# KiCad board NoU2-panelized.kicad_pcb (continued)
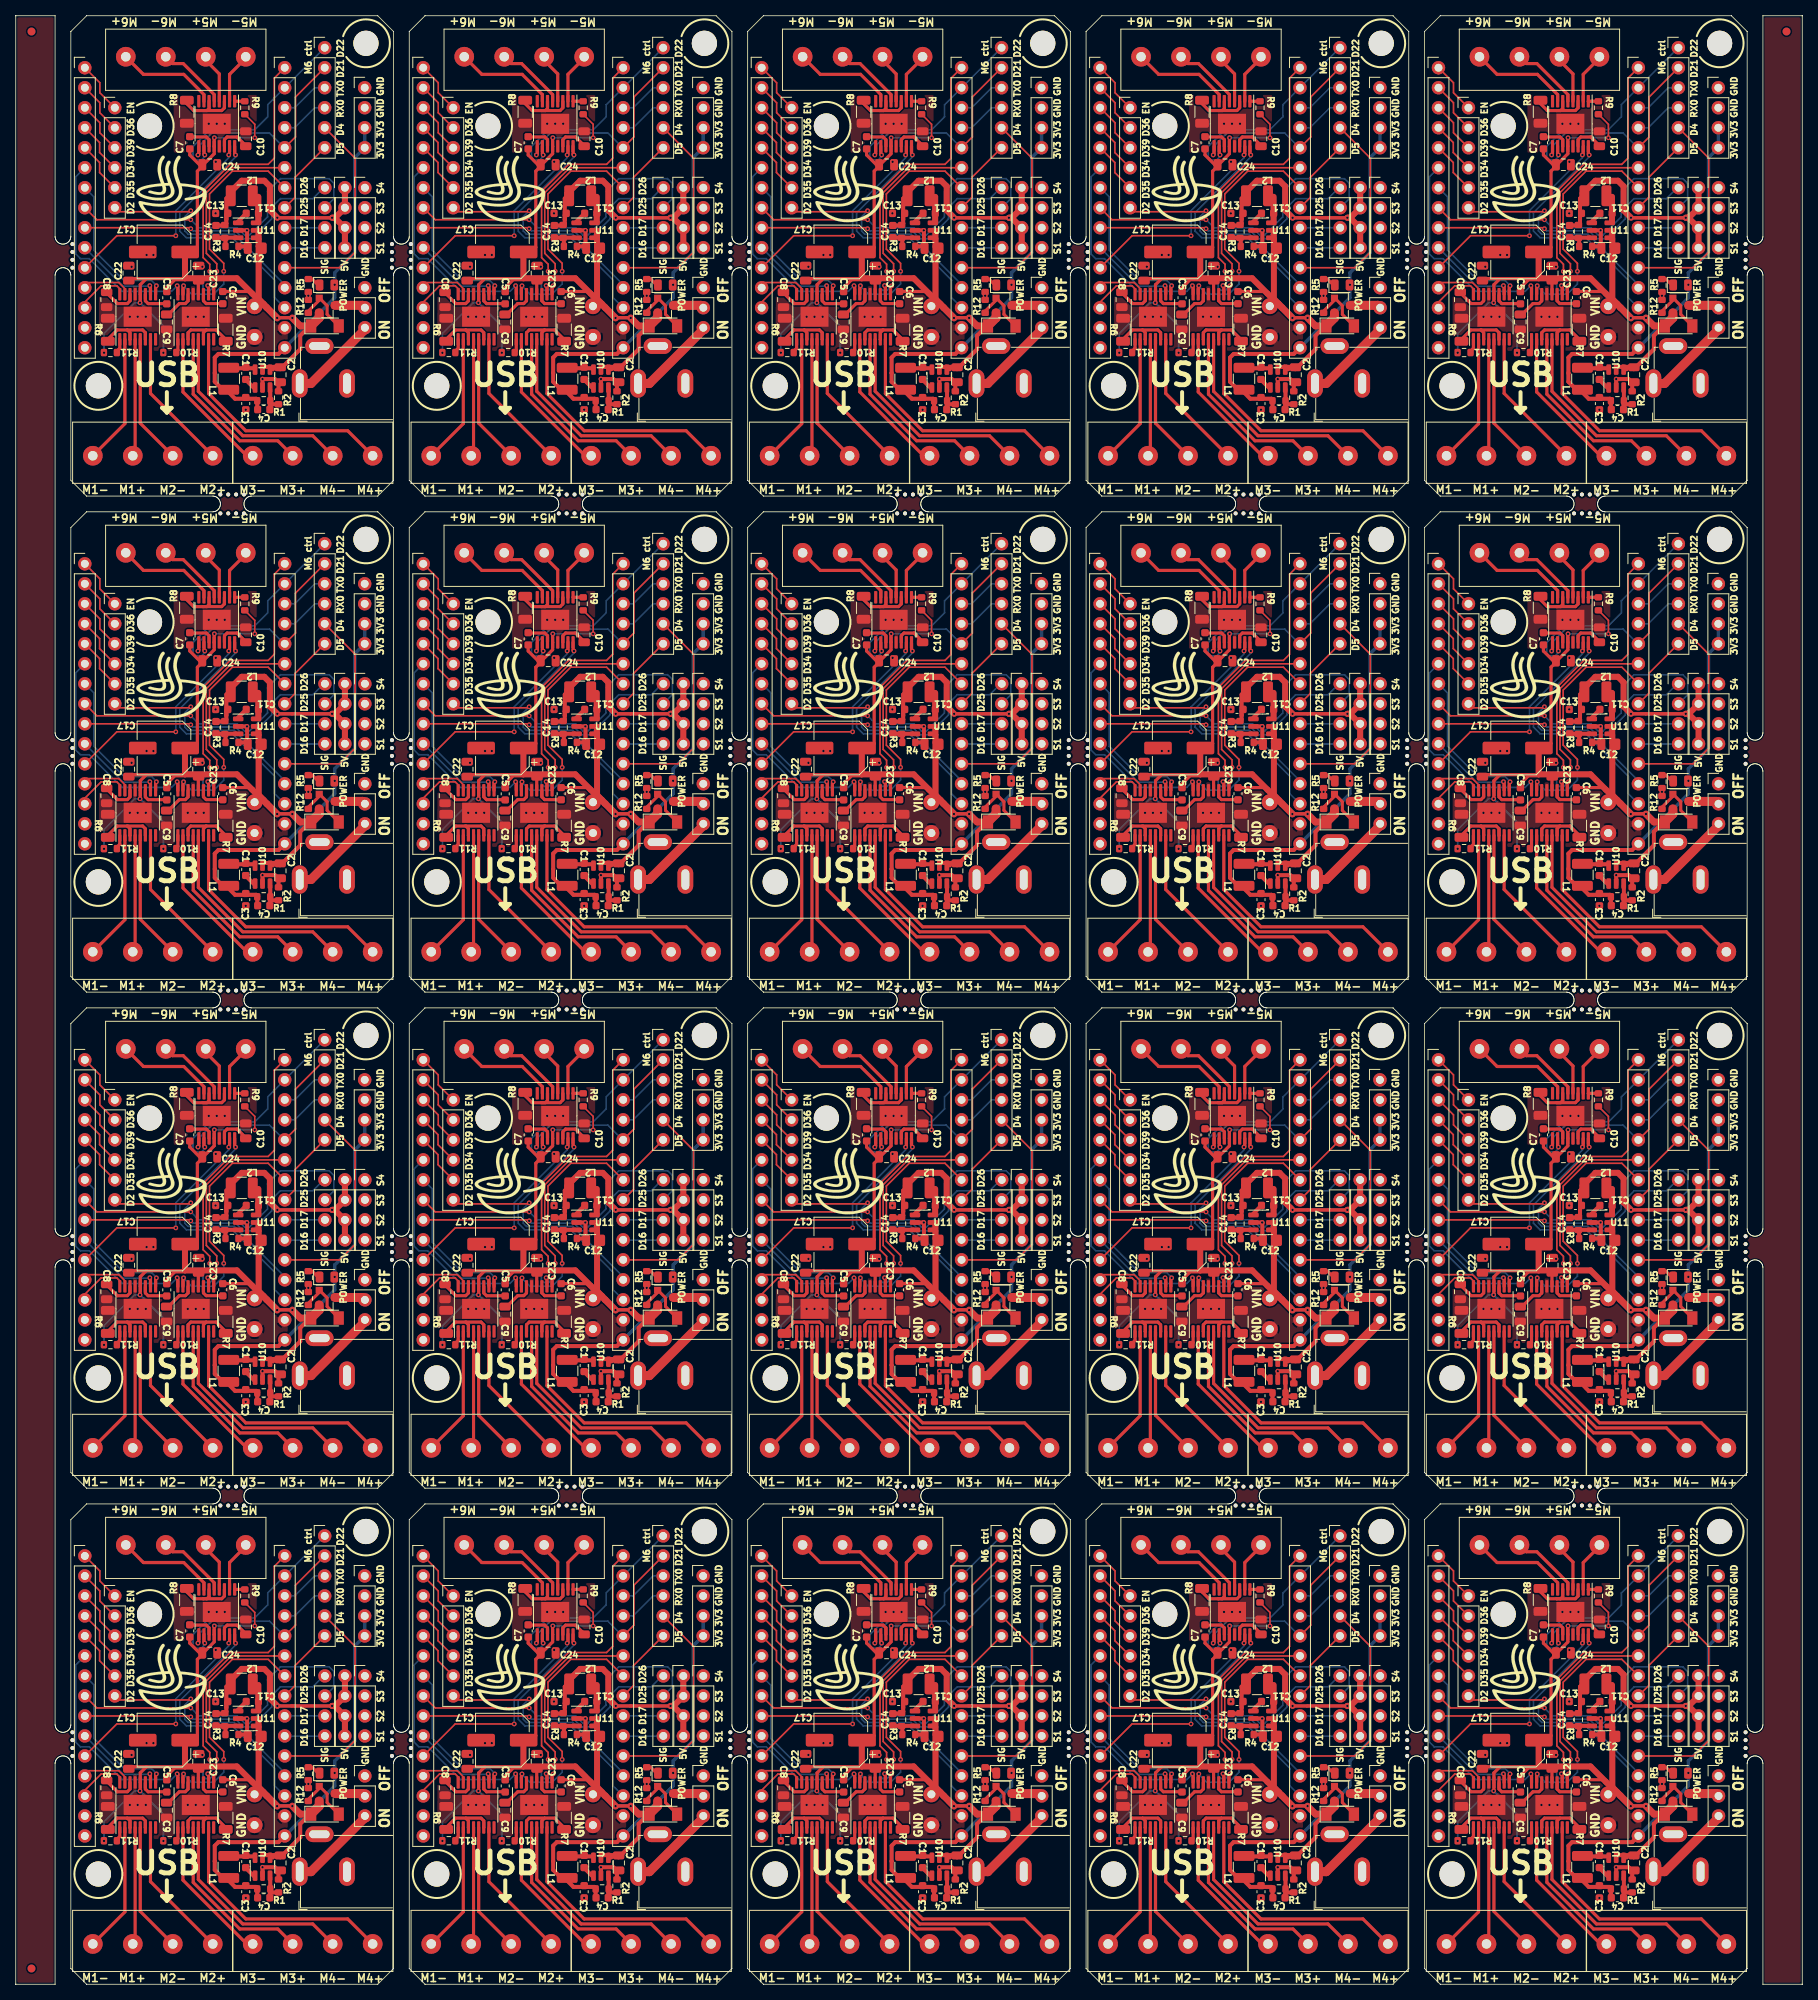
[diagram p0: board, top side]
## Routing (per net, layer and track width the routed paths; a pad name or vN(x,y) marks a point on that pad's centre or on a via; arc(x,y) is an arc through that point) (continued)
Board_9-3V3: length 53
  Top w0.508: 199.2,139.25 198.56,139.25 197.29,140.52 197.29,141.63 197.29,141.63 197.29,143.59 197.75,144.05 205.39,144.05 J11#19.15 ; R1#13.1 202.69,137.04 ; 202.81,137.04 202.86,136.99 ; 199.07,139.37 198.94,139.5 198.94,139.29 199.87,138.36 202.56,138.36 202.81,138.11
  Bottom w0.432: J3#12.3 J3#12.4 215.09,168.99 215.09,156.92 212.53,154.36 v1(212.53,152.84) 212.53,151.19 J11#19.15
Board_9-5V: length 40.3
  Top w0.432: v1(212.2,161.35) v1(205.24,161.35)
  Top w0.508: 198.76,161.14 198.76,161.69 198.98,161.9 198.98,162.1 ; 198.76,161.14 198.76,163.79 199.11,164.14 ; 198.76,161.14 198.76,160.63 R3#5.1 198.5,160.37 C14#13.2
  Top w0.762: 199.11,164.14 199.11,164.43 200.72,166.05 201.57,166.05 201.58,166.05 203.59,166.05 204.3,165.33 204.3,162.29 v1(205.24,161.35) ; J12.1 213.82,162.59 212.58,161.35 v1(212.2,161.35) 212.53,161.35 213.82,160.05 213.82,157.51
  Bottom w0.432: v1(205.24,161.35) v1(212.2,161.35)
Board_9-/Sheet6057E9B8/D16: length 5.1
  Top w0.203: 206.21,157.51 J11#19.10
  Bottom w0.203: 211.28,157.51 206.21,157.51
Board_9-/Sheet6057E9B8/D17: length 5.1
  Top w0.203: 211.25,160.08 211.28,160.05
  Bottom w0.203: J11#19.9 211.25,160.08
Board_9-/Sheet6057E9B8/D34: length 6.7
  Top w0.203: 184.59,167.7 182.66,169.63 182.66,170.9 J10#17.4
Board_9-/Sheet6057E9B8/D35: length 6.7
  Top w0.203: J10#17.5 182.66,168.36 182.66,167.09 184.59,165.16
Board_9-/Sheet6057E9B8/D36: length 6.7
  Top w0.203: 184.59,172.78 182.68,174.68 182.68,175.95 J10#17.2
Board_9-/Sheet6057E9B8/D39: length 6.7
  Top w0.203: 184.59,170.24 182.68,172.14 182.68,173.41 J10#17.3
Board_9-/Sheet6057E9B8/EN: length 7.3
  Top w0.203: 184.59,175.32 182.68,177.22 182.68,178.49 J10#17.1
  Top w0.399: 180.78,179.76 J10#17.1
Board_9-D2: length 28.7
  Top w0.203: v1(194.24,162.24) 194.11,162.11 185.1,162.11 J4#7.6
  Bottom w0.203: v1(194.24,162.24) 193.48,161.47 193.48,159.67 193.9,159.25 199.77,159.25 206.18,152.84 J11#19.12
Board_9-D4: length 27.2
  Top w0.203: J11#19.11 213.14,155 215.12,156.98 215.12,168.92 J1#20.5
Board_9-D5: length 9.7
  Top w0.203: J1#20.6 207.5,166.48 207.5,163.94 J11#19.8
Board_9-D25: length 41.8
  Top w0.203: J10#17.8 182.3,161.09 v1(194.24,161.09)
  Bottom w0.203: J2#10.2 212.44,163.77 212.44,165.71 211.83,166.31 205.63,166.31 204,164.68 204,161.46 201.68,159.14 201.08,159.14 200.15,160.08 195.26,160.08 v1(194.24,161.09)
Board_9-D26: length 34.6
  Top w0.203: J10#17.9 194.15,160.08 v1(194.24,159.95)
  Bottom w0.203: v1(194.24,159.95) 194.52,159.67 199.91,159.67 200.91,158.68 201.99,158.68 204.53,161.22 204.53,162.67 205.63,163.77 209.75,163.77 211.13,165.16 J2#10.1
Board_9-GND: length 10.3
  Top w0.508: R4#6.2 201.31,157.71 201.4,157.8 201.4,159.72 v1(201.38,159.75) 200.06,159.75 ; 203.36,139.61 v1(203.36,140.86) 204.93,140.86 205.33,140.46 C2#2.1 205.39,140.24 R2#2.2 ; R12.2 R5#6.1 209.15,151.88 ; 201.32,136.98 201.32,136.98
  vias: v1(186.49,148.77) v1(186.72,155.12) v1(187.5,148.77) v1(188.53,148.77) v1(188.63,156.62) v1(189.49,156.62) v1(193.86,148.77) v1(194.88,148.77) v1(195.71,155.12) v1(195.89,148.77) v1(196.53,173.28) v1(197.41,168.46) v1(197.39,161.9) v1(197.54,173.28) v1(198.56,173.28) v1(201.22,136.96) v1(209.18,151.44)
Board_9-M1A: length 6.9
  Top w0.203: J10#17.13 180.78,150.63 182.85,152.7 184.85,152.7 185.22,152.33 U1.16
Board_9-M1B: length 6.8
  Top w0.203: J10#17.12 180.78,153.12 185.1,153.12 185.87,152.34 U1.15
Board_9-M2A: length 11.3
  Top w0.399: U1.10 189.12,152.57 189.03,152.66
  Bottom w0.203: 189.03,152.66 185.65,152.66 J10#17.10
  vias: v1(189.03,152.72)
Board_9-M2B: length 19.4
  Top w0.399: 189.87,152.66 189.77,152.56 U1.9
  Bottom w0.203: 189.87,152.72 189.87,152.66 v1(189.87,152.71) 189.87,152.76 189.26,153.37 185.78,153.37 181.93,157.22 181.93,164 J10#17.7
Board_9-M3A: length 27.6
  Top w0.399: 192.51,152.66 192.6,152.57 U3#3.16
  Bottom w0.203: J10#17.6 179.63,166.54 179.63,156.75 180.23,156.15 181.35,156.15 185.5,152 191.79,152 v1(192.51,152.72)
Board_9-M3B: length 30.9
  Top w0.203: v1(198.43,154.54) 198.43,155.55 196.62,157.36 196.62,164.36 199.52,167.26 204.07,167.26 J11#19.7 ; 193.25,152.58 193.33,152.66
  Top w0.399: U3#3.15 193.25,152.58
  Bottom w0.203: v1(198.43,154.54) 198.43,152.93 197.15,151.65 194.34,151.65 193.33,152.66
  vias: v1(193.33,152.71)
Board_9-M4A: length 25.2
  Top w0.203: J11#19.6 199.39,167.7 196.22,164.53 196.22,156.83 197.54,155.5 v1(197.54,154.54)
  Top w0.399: U3#3.10 196.5,152.56 196.4,152.66
  Bottom w0.203: v1(197.54,154.54) 197.54,153.82 196.4,152.67 196.4,152.66
  vias: v1(196.4,152.74)
Board_9-M4B: length 38.7
  Top w0.203: J11#19.1 204.86,179.08 204.86,168.92 204.07,168.13 199.24,168.13 195.81,164.7 195.81,156.28 196.65,155.44 v1(196.65,154.54)
  Top w0.399: 197.26,152.66 197.15,152.55 U3#3.9
  Bottom w0.203: v1(197.29,152.71) 196.71,152.13 196.11,152.13 195.79,152.44 195.79,153.12 196.65,153.98 v1(196.65,154.54)
Board_9-M5A: length 32.5
  Top w0.399: U2#8.16 199.82,169.43 v1(199.93,169.32) 199.93,169.37
  Bottom w0.203: v1(199.93,169.32) 199.93,169.07 192.84,161.98 192.84,159.65 193.69,158.81 199.51,158.81 204.91,153.41 204.91,151.19 206.17,149.92 J11#19.13
Board_9-M5B: length 27.4
  Top w0.203: v1(192.34,159.06) 184.84,159.06 J10#17.11
  Top w0.399: 199.07,169.37 199.17,169.47 U2#8.15
  Bottom w0.203: 199.07,169.37 199.07,168.97 192.34,162.24 v1(192.34,159.06)
  vias: v1(199.07,169.32)
Board_9-M6A: length 27.3
  Top w0.203: 211.25,182.94 J1#20.1
  Top w0.399: 196.02,169.37 195.92,169.47 U2#8.10
  Bottom w0.203: 211.25,182.94 J11#19.2 204.02,175.7 204.02,174.17 202.37,172.52 196.65,172.52 194.52,170.39 194.52,169.02 194.85,168.69 195.59,168.69 196.02,169.12 v1(196.02,169.32)
Board_9-M6B: length 26.9
  Top w0.203: J1#20.2 207.55,176.69 207.55,171.61 J11#19.5
  Top w0.399: 195.15,169.37 195.27,169.49 U2#8.9
  Bottom w0.203: J11#19.5 206.11,170.24 204.24,172.11 196.92,172.11 195.27,170.46 195.27,169.49 195.15,169.37
  vias: v1(195.15,169.32)
Board_9-Net-(C1-Pad1): length 3.3
  Top w0.508: 202.43,142.23 199.15,142.23
Board_9-Net-(C1-Pad2): length 1.7
  Top w0.508: 201.33,140.81 201.33,140.78 ; 201.2,140.8 202.37,139.63
Board_9-Net-(C4-Pad1): length 4.1
  Top w0.508: 204.29,138.06 204.29,137.84 204.46,137.66 R2#2.1 ; 204.29,138.06 C4#9.1 ; 204.29,138.06 R1#13.2 204.34,139.59 ; 204.41,138.06 204.46,138.11
Board_9-Net-(C5-Pad2): length 3.7
  Top w0.399: C5#8.2 191.16,150.44 188.82,150.44 188.47,150.79 U1.11
Board_9-Net-(C6-Pad2): length 3.4
  Top w0.399: U3#3.11 195.85,150.79 196.19,150.45 198.28,150.45 C6#6.2
Board_9-Net-(C7-Pad2): length 3.5
  Top w0.399: U2#8.11 196.57,171.27 196.22,171.61 194.15,171.61 C7#6.2
Board_9-Net-(C8-Pad1): length 4.6
  Top w0.399: C8#14.1 183.55,151.81 184.91,150.45 186.18,150.45 186.52,150.79 U1.14
Board_9-Net-(C9-Pad1): length 4.3
  Top w0.399: C9#13.1 191.4,149.06 192.78,150.45 193.56,150.45 193.9,150.79 U3#3.14
Board_9-Net-(C10-Pad1): length 4.2
  Top w0.399: C10#5.1 201.22,170.51 200.12,171.61 198.86,171.61 198.52,171.27 U2#8.14
Board_9-Net-(C11-Pad1): length 3.5
  Top w0.508: 202.68,161.75 C11#11.1 202.7,162.04 ; 202.7,163.99 202.65,164.04
  Top w0.762: 202.83,160.81 202.83,161.86 ; 202.83,162.06 202.83,164
Board_9-Net-(C11-Pad2): length 1.7
  Top w0.508: C11#11.2 200.08,160.7 200.06,160.7
Board_9-Net-(C14-Pad1): length 3.7
  Top w0.508: 200.06,158.8 200.04,158.82 C14#13.1 ; R4#6.1 198.65,158.69 R3#5.2
Board_9-Net-(D1-Pad1): length 1.6
  Top w0.381: 209.35,153.56 209.67,153.56 210.42,152.81 D1#9.1
Board_9-Net-(D2-Pad2): length 7.2
  Top w0.381: 209.2,149.27 209.2,149.51 210.56,150.87 Q1#12.1 211.56,150.17 211.56,149.08 D2#4.2
  Top w0.508: Q1#12.1 210.43,151.17
Board_9-Net-(J6-Pad1): length 16.5
  Top w0.399: U1.2 185.87,135.2 J6#11.1
Board_9-Net-(J6-Pad2): length 14.9
  Top w0.399: U1.4 187.17,131.42 J6#11.2
Board_9-Net-(J6-Pad3): length 16.5
  Top w0.399: J6#11.3 187.82,135.25 U1.5
Board_9-Net-(J6-Pad4): length 18.1
  Top w0.399: J6#11.4 189.12,139.03 U1.7
Board_9-Net-(J7-Pad1): length 18.9
  Top w0.399: J7#15.1 201.35,131.12 193.25,139.22 U3#3.2
Board_9-Net-(J7-Pad2): length 22.9
  Top w0.399: U3#3.4 194.55,138.94 200.47,133.02 205.29,133.02 J7#15.2
Board_9-Net-(J7-Pad3): length 27.1
  Top w0.399: J7#15.3 209.73,133.66 200.84,133.66 195.2,139.3 U3#3.5
Board_9-Net-(J7-Pad4): length 31
  Top w0.399: U3#3.7 196.5,139.02 201.22,134.29 214.18,134.29 J7#15.4
Board_9-Net-(J8-Pad1): length 6.5
  Top w0.399: J8#14.1 201.22,181.62 199.17,179.56 U2#8.2
Board_9-Net-(J8-Pad2): length 6.4
  Top w0.399: J8#14.2 196.15,181.34 197.87,179.61 U2#8.4
Board_9-Net-(J8-Pad3): length 9
  Top w0.399: U2#8.5 197.22,176.99 193.28,180.93 191.93,180.93 J8#14.3
Board_9-Net-(J8-Pad4): length 12.8
  Top w0.399: U2#8.7 195.92,176.99 193.35,179.56 188.22,179.56 J8#14.4
Board_9-Net-(J9-Pad1): length 11.3
  Top w1.143: J9#8.1 209.52,140.3 216.34,147.12 216.34,147.38
Board_9-Net-(Q1-Pad3): length 3.9
  Top w1.143: Q1#12.3 216.06,150.22 U8#16.2
Board_9-Net-(R6-Pad2): length 7.8
  Top w0.399: 188.47,145.91 U1.6 188.47,146.75 188.13,147.1 186.18,147.1 ; 186.18,147.1 186.52,146.75 U1.3 186.52,145.91 ; 186.18,147.1 184.89,147.1 183.7,145.91 R6#8.2
Board_9-Net-(R7-Pad2): length 7.8
  Top w0.399: 193.9,145.91 U3#3.3 193.9,146.75 194.24,147.1 196.19,147.1 ; 195.84,145.9 U3#3.6 195.85,146.75 196.19,147.1 ; 196.19,147.1 197.47,147.1 198.69,145.89 R7#17.2
Board_9-Net-(R8-Pad2): length 8.5
  Top w0.399: 193.73,176.4 193.73,175.83 194.61,174.96 195.79,174.96 ; U2#8.6 196.57,175.23 196.3,174.96 195.79,174.96 ; 195.79,174.96 198.17,174.96 198.52,175.3 U2#8.3
Board_9-Net-(R9-Pad1): length 1.3
  Top w0.399: U2#8.1 199.82,176.14 R9#5.1
Board_9-Net-(R10-Pad1): length 1.7
  Top w0.399: 192.4,144.33 192.6,144.53 U3#3.1
Board_9-Net-(R11-Pad1): length 1.8
  Top w0.399: U1.1 185.22,144.77 184.78,144.33
Board_9-RX0: length 6.1
  Bottom w0.203: J1#20.4 209.99,175.32 207.45,172.78 J11#19.4
Board_9-TX0: length 6.1
  Bottom w0.203: J11#19.3 207.45,175.32 209.99,177.86 J1#20.3
Board_9-VIN: length 111
  Top w0.203: R9#5.2 202.37,173.22 v1(202.37,171.51)
  Top w0.25: J14#20.1 203.71,150.12 203.9,149.93
  Top w0.399: 193.54,153.62 188.6,153.62 187.82,152.84 U1.12 187.82,150.56 187.81,150.55 ; C7#6.1 194.11,169.32 195.36,168.08 C24#3.1 ; 193.49,153.47 192.31,153.47 ; C6#6.1 201.78,151.98 202.04,151.72 ; C24#3.1 195.7,167.89 195.08,167.26 195.08,157.59 194.49,157 C17.1 ; C24#3.1 195.82,168.08 197.22,169.48 U2#8.12 197.21,170.43 197.21,171.51 ; U3#3.12 195.2,153.36 195.21,153.36 ; C22#10.1 186.6,153.6 ; 186.65,153.62 188.62,153.62 ; 201.01,174.4 R9#5.2 ; 192.16,153.42 191.19,152.46 191.19,151.96
  Top w0.432: v1(207.14,148.62) 207.11,148.65 205.25,148.65 v1(205.21,148.62)
  Top w0.508: 202.86,158.61 202.68,158.8 ; 204.53,142.27 204.69,142.11 ; 203.65,142.4 204.27,142.4 ; 205.6,142.11 205.77,142.28 205.78,142.28 208.15,144.65 208.15,146.37 209.38,147.6 D2#4.1 ; 205.52,142.41 204.61,142.41 ; C12#12.2 202.86,156.95 202.86,156.72
  Top w0.762: 203.46,150.37 202.86,150.97 202.86,158.61 ; 202.85,158.7 202.85,159.65 ; C17.1 193.5,156.97 193.5,153.66 ; 193.57,153.66 200.1,153.66 202.66,151.1 202.74,151.1
  Top w0.864: v1(205.21,148.62) 202.74,151.1 ; v1(207.14,148.62) 208.16,147.6 D2#4.1
  Top w1.143: D2#4.1 210.56,148.63 Q1#12.2
  Bottom w0.203: 197.21,171.51 v1(202.37,171.51) ; v1(187.79,150.55) 187.13,150.55 183.22,146.64 v1(183.22,144.2)
  Bottom w0.25: v1(187.79,150.55) 190.76,147.58 v1(190.76,144.2)
  Bottom w0.432: v1(205.21,148.62) 205.25,148.65 207.11,148.65 v1(207.14,148.62)
  vias: v1(197.24,171.51)
Board_10-3V3: length 53
  Top w0.508: 30.81,74.04 30.86,73.99 ; R1#8.1 30.69,74.04 ; 27.07,76.37 26.94,76.5 26.94,76.29 27.87,75.36 30.56,75.36 30.81,75.1 ; J11#6.15 33.39,81.05 25.75,81.05 25.29,80.59 25.29,78.63 25.29,78.63 25.29,77.52 26.56,76.25 27.2,76.25
  Bottom w0.432: J3#15.3 J3#15.4 43.09,105.99 43.09,93.92 40.53,91.36 v1(40.53,89.84) 40.53,88.19 J11#6.15
Board_10-5V: length 40.3
  Top w0.432: v1(33.24,98.35) v1(40.2,98.35)
  Top w0.508: 27.11,101.14 26.76,100.79 26.76,98.14 ; 26.76,98.14 26.76,97.63 R3#19.1 26.5,97.37 C14#9.2 ; 26.76,98.14 26.76,98.69 26.98,98.9 26.98,99.1
  Top w0.762: 41.82,94.51 41.82,97.05 40.53,98.35 v1(40.2,98.35) 40.58,98.35 41.82,99.59 J12#2.1 ; v1(33.24,98.35) 32.3,99.29 32.3,102.33 31.59,103.05 29.58,103.05 29.57,103.04 28.72,103.04 27.11,101.43 27.11,101.14
  Bottom w0.432: v1(33.24,98.35) v1(40.2,98.35)
Board_10-/Sheet6057E9B8/D16: length 5.1
  Top w0.203: 34.21,94.51 J11#6.10
  Bottom w0.203: 39.28,94.51 34.21,94.51
Board_10-/Sheet6057E9B8/D17: length 5.1
  Top w0.203: 39.25,97.08 39.28,97.05
  Bottom w0.203: J11#6.9 39.25,97.08
Board_10-/Sheet6057E9B8/D34: length 6.7
  Top w0.203: 12.59,104.7 10.66,106.63 10.66,107.9 J10#10.4
Board_10-/Sheet6057E9B8/D35: length 6.7
  Top w0.203: J10#10.5 10.66,105.36 10.66,104.09 12.59,102.16
Board_10-/Sheet6057E9B8/D36: length 6.7
  Top w0.203: J10#10.2 10.68,112.95 10.68,111.68 12.59,109.78
Board_10-/Sheet6057E9B8/D39: length 6.7
  Top w0.203: J10#10.3 10.68,110.41 10.68,109.14 12.59,107.24
Board_10-/Sheet6057E9B8/EN: length 7.3
  Top w0.203: J10#10.1 10.68,115.49 10.68,114.22 12.59,112.32
  Top w0.399: 8.78,116.76 J10#10.1
Board_10-D2: length 28.7
  Top w0.203: J4#9.6 13.1,99.11 22.11,99.11 v1(22.24,99.24)
  Bottom w0.203: J11#6.12 34.18,89.84 27.77,96.25 21.9,96.25 21.48,96.67 21.48,98.47 v1(22.24,99.24)
Board_10-D4: length 27.2
  Top w0.203: J11#6.11 41.14,92 43.12,93.98 43.12,105.92 J1#3.5
Board_10-D5: length 9.7
  Top w0.203: J11#6.8 35.5,100.94 35.5,103.48 J1#3.6
Board_10-D25: length 41.8
  Top w0.203: J10#10.8 10.3,98.09 v1(22.24,98.09)
  Bottom w0.203: J2#11.2 40.44,100.77 40.44,102.71 39.83,103.31 33.63,103.31 32,101.68 32,98.46 29.68,96.14 29.08,96.14 28.15,97.08 23.26,97.08 v1(22.24,98.09)
Board_10-D26: length 34.6
  Top w0.203: v1(22.24,96.95) 22.15,97.08 J10#10.9
  Bottom w0.203: J2#11.1 39.13,102.16 37.75,100.77 33.63,100.77 32.53,99.67 32.53,98.22 29.99,95.68 28.91,95.68 27.91,96.67 22.52,96.67 v1(22.24,96.95)
Board_10-GND: length 10.3
  Top w0.508: 33.39,76.31 33.39,77.24 33.61,77.46 33.33,77.46 32.93,77.86 v1(31.36,77.86) 31.36,76.61 ; 29.32,73.98 29.32,73.98 ; R12#10.2 R5#18.1 37.15,88.88 ; R4#2.2 29.31,94.71 29.4,94.8 29.4,96.72 v1(29.38,96.75) 28.06,96.75
  vias: v1(14.49,85.77) v1(14.72,92.12) v1(15.5,85.77) v1(16.52,85.77) v1(16.63,93.62) v1(17.49,93.62) v1(21.86,85.77) v1(22.88,85.77) v1(23.71,92.12) v1(23.89,85.77) v1(24.53,110.28) v1(25.41,105.46) v1(25.39,98.9) v1(25.54,110.28) v1(26.56,110.28) v1(29.23,73.96) v1(37.18,88.44)
Board_10-M1A: length 6.9
  Top w0.203: J10#10.13 8.78,87.63 10.85,89.7 12.85,89.7 13.22,89.33 U1#12.16
Board_10-M1B: length 6.8
  Top w0.203: U1#12.15 13.87,89.34 13.1,90.12 8.78,90.12 J10#10.12
Board_10-M2A: length 11.3
  Top w0.399: 17.03,89.66 17.12,89.57 U1#12.10
  Bottom w0.203: J10#10.10 13.65,89.66 17.03,89.66
  vias: v1(17.03,89.72)
Board_10-M2B: length 19.4
  Top w0.399: 17.87,89.66 17.77,89.56 U1#12.9
  Bottom w0.203: J10#10.7 9.93,101 9.93,94.22 13.78,90.37 17.26,90.37 17.87,89.76 v1(17.87,89.71) 17.87,89.66 17.87,89.72
Board_10-M3A: length 27.6
  Top w0.399: U3#18.16 20.6,89.57 20.51,89.66
  Bottom w0.203: v1(20.51,89.72) 19.79,89 13.5,89 9.35,93.15 8.23,93.15 7.63,93.75 7.63,103.54 J10#10.6
Board_10-M3B: length 30.9
  Top w0.203: v1(26.43,91.54) 26.43,92.55 24.62,94.36 24.62,101.36 27.52,104.26 32.07,104.26 J11#6.7 ; 21.25,89.58 21.33,89.66
  Top w0.399: U3#18.15 21.25,89.58
  Bottom w0.203: 21.33,89.66 22.34,88.65 25.15,88.65 26.43,89.93 v1(26.43,91.54)
  vias: v1(21.33,89.71)
Board_10-M4A: length 25.2
  Top w0.203: J11#6.6 27.39,104.7 24.22,101.53 24.22,93.83 25.54,92.5 v1(25.54,91.54)
  Top w0.399: U3#18.10 24.5,89.56 24.4,89.66
  Bottom w0.203: 24.4,89.66 24.4,89.67 25.54,90.82 v1(25.54,91.54)
  vias: v1(24.4,89.74)
Board_10-M4B: length 38.7
  Top w0.203: J11#6.1 32.86,116.08 32.86,105.92 32.07,105.13 27.24,105.13 23.81,101.7 23.81,93.28 24.65,92.44 v1(24.65,91.54)
  Top w0.399: 25.26,89.66 25.15,89.55 U3#18.9
  Bottom w0.203: v1(25.29,89.71) 24.71,89.13 24.11,89.13 23.79,89.44 23.79,90.12 24.65,90.98 v1(24.65,91.54)
Board_10-M5A: length 32.5
  Top w0.399: U2#4.16 27.82,106.43 v1(27.93,106.32) 27.93,106.37
  Bottom w0.203: J11#6.13 34.17,86.92 32.91,88.19 32.91,90.41 27.51,95.81 21.69,95.81 20.84,96.65 20.84,98.98 27.93,106.07 v1(27.93,106.32)
Board_10-M5B: length 27.4
  Top w0.203: v1(20.34,96.06) 12.84,96.06 J10#10.11
  Top w0.399: U2#4.15 27.17,106.47 27.07,106.37
  Bottom w0.203: 27.07,106.37 27.07,105.97 20.34,99.24 v1(20.34,96.06)
  vias: v1(27.07,106.32)
Board_10-M6A: length 27.3
  Top w0.203: 39.25,119.94 J1#3.1
  Top w0.399: U2#4.10 23.92,106.47 24.02,106.37
  Bottom w0.203: v1(24.02,106.32) 24.02,106.12 23.59,105.69 22.85,105.69 22.52,106.02 22.52,107.39 24.65,109.52 30.37,109.52 32.02,111.17 32.02,112.7 J11#6.2 39.25,119.94
Board_10-M6B: length 26.9
  Top w0.203: J11#6.5 35.55,108.61 35.55,113.69 J1#3.2
  Top w0.399: U2#4.9 23.27,106.49 23.15,106.37
  Bottom w0.203: 23.15,106.37 23.27,106.49 23.27,107.46 24.92,109.11 32.24,109.11 34.11,107.24 J11#6.5
  vias: v1(23.15,106.32)
Board_10-Net-(C1-Pad1): length 3.3
  Top w0.508: 30.43,79.23 27.15,79.23
Board_10-Net-(C1-Pad2): length 1.7
  Top w0.508: 29.2,77.8 30.37,76.63 ; 29.33,77.81 29.33,77.78
Board_10-Net-(C4-Pad1): length 4.1
  Top w0.508: 32.29,75.06 R1#8.2 32.34,76.59 ; 32.29,75.06 C4#3.1 ; 32.29,75.06 32.29,74.84 32.46,74.66 R2#13.1 ; 32.41,75.06 32.46,75.1
Board_10-Net-(C5-Pad2): length 3.7
  Top w0.399: U1#12.11 16.47,87.79 16.82,87.44 19.16,87.44 C5#4.2
Board_10-Net-(C6-Pad2): length 3.4
  Top w0.399: U3#18.11 23.85,87.79 24.19,87.45 26.28,87.45 C6#13.2
Board_10-Net-(C7-Pad2): length 3.5
  Top w0.399: C7#4.2 22.15,108.61 24.22,108.61 24.57,108.27 U2#4.11
Board_10-Net-(C8-Pad1): length 4.6
  Top w0.399: C8#17.1 11.55,88.81 12.91,87.45 14.18,87.45 14.52,87.79 U1#12.14
Board_10-Net-(C9-Pad1): length 4.3
  Top w0.399: C9#11.1 19.4,86.06 20.78,87.45 21.56,87.45 21.9,87.79 U3#18.14
Board_10-Net-(C10-Pad1): length 4.2
  Top w0.399: C10#18.1 29.23,107.51 28.12,108.61 26.86,108.61 26.52,108.27 U2#4.14
Board_10-Net-(C11-Pad1): length 3.5
  Top w0.508: 30.7,99.04 C11#5.1 30.68,98.75 ; 30.7,100.99 30.65,101.04
  Top w0.762: 30.83,99.06 30.83,101 ; 30.83,97.81 30.83,98.86
Board_10-Net-(C11-Pad2): length 1.7
  Top w0.508: C11#5.2 28.08,97.7 28.06,97.7
Board_10-Net-(C14-Pad1): length 3.7
  Top w0.508: R3#19.2 26.65,95.69 R4#2.1 ; C14#9.1 28.04,95.82 28.06,95.8
Board_10-Net-(D1-Pad1): length 1.6
  Top w0.381: 37.35,90.56 37.67,90.56 38.42,89.81 D1#3.1
Board_10-Net-(D2-Pad2): length 7.2
  Top w0.381: 37.2,86.27 37.2,86.51 38.56,87.87 Q1#7.1 39.56,87.17 39.56,86.08 D2#17.2
  Top w0.508: Q1#7.1 38.43,88.17
Board_10-Net-(J6-Pad1): length 16.5
  Top w0.399: U1#12.2 13.87,72.2 J6#19.1
Board_10-Net-(J6-Pad2): length 14.9
  Top w0.399: U1#12.4 15.17,68.42 J6#19.2
Board_10-Net-(J6-Pad3): length 16.5
  Top w0.399: J6#19.3 15.82,72.25 U1#12.5
Board_10-Net-(J6-Pad4): length 18.1
  Top w0.399: J6#19.4 17.12,76.03 U1#12.7
Board_10-Net-(J7-Pad1): length 18.9
  Top w0.399: J7#3.1 29.35,68.12 21.25,76.22 U3#18.2
Board_10-Net-(J7-Pad2): length 22.9
  Top w0.399: J7#3.2 33.29,70.02 28.47,70.02 22.55,75.94 U3#18.4
Board_10-Net-(J7-Pad3): length 27.1
  Top w0.399: U3#18.5 23.2,76.3 28.84,70.66 37.73,70.66 J7#3.3
Board_10-Net-(J7-Pad4): length 31
  Top w0.399: U3#18.7 24.5,76.02 29.23,71.29 42.18,71.29 J7#3.4
Board_10-Net-(J8-Pad1): length 6.5
  Top w0.399: J8.1 29.23,118.62 27.17,116.56 U2#4.2
Board_10-Net-(J8-Pad2): length 6.4
  Top w0.399: U2#4.4 25.87,116.61 24.15,118.34 J8.2
Board_10-Net-(J8-Pad3): length 9
  Top w0.399: J8.3 19.93,117.93 21.28,117.93 25.22,113.99 U2#4.5
Board_10-Net-(J8-Pad4): length 12.8
  Top w0.399: J8.4 16.22,116.56 21.35,116.56 23.92,113.99 U2#4.7
Board_10-Net-(J9-Pad1): length 11.3
  Top w1.143: J9#17.1 37.52,77.3 44.34,84.12 44.34,84.38
Board_10-Net-(Q1-Pad3): length 3.9
  Top w1.143: Q1#7.3 44.06,87.22 U8#3.2
Board_10-Net-(R6-Pad2): length 7.8
  Top w0.399: 14.18,84.1 14.52,83.75 U1#12.3 14.52,82.91 ; 14.18,84.1 16.13,84.1 16.47,83.75 U1#12.6 16.47,82.91 ; 14.18,84.1 12.89,84.1 11.7,82.91 R6#19.2
Board_10-Net-(R7-Pad2): length 7.8
  Top w0.399: 24.19,84.1 25.47,84.1 26.69,82.89 R7#9.2 ; 24.19,84.1 23.85,83.75 U3#18.6 23.84,82.9 ; 24.19,84.1 22.24,84.1 21.9,83.75 U3#18.3 21.9,82.91
Board_10-Net-(R8-Pad2): length 8.5
  Top w0.399: 23.79,111.96 22.61,111.96 21.73,112.84 21.73,113.4 ; 23.79,111.96 26.17,111.96 26.52,112.3 U2#4.3 ; 23.79,111.96 24.3,111.96 24.57,112.23 U2#4.6
Board_10-Net-(R9-Pad1): length 1.3
  Top w0.399: R9#10.1 27.82,113.14 U2#4.1
Board_10-Net-(R10-Pad1): length 1.7
  Top w0.399: 20.4,81.33 20.6,81.53 U3#18.1
Board_10-Net-(R11-Pad1): length 1.8
  Top w0.399: U1#12.1 13.22,81.77 12.78,81.33
Board_10-RX0: length 6.1
  Bottom w0.203: J1#3.4 37.99,112.32 35.45,109.78 J11#6.4
Board_10-TX0: length 6.1
  Bottom w0.203: J1#3.3 37.99,114.86 35.45,112.32 J11#6.3
Board_10-VIN: length 111
  Top w0.203: v1(30.37,108.51) 30.37,110.22 R9#10.2
  Top w0.25: 31.9,86.93 31.71,87.12 J14#8.1
  Top w0.399: 20.16,90.42 19.19,89.46 C5#4.1 ; 25.21,108.51 25.21,107.43 U2#4.12 25.22,106.48 23.82,105.08 23.7,105.08 ; 23.7,105.08 23.36,105.08 22.11,106.32 C7#4.1 ; 23.7,105.08 23.7,104.89 23.08,104.26 23.08,94.59 22.49,94 C17#2.1 ; 23.21,90.36 23.2,90.35 U3#18.12 ; 30.04,88.72 29.78,88.98 C6#13.1 ; 29.01,111.4 R9#10.2 ; 15.81,87.55 15.82,87.56 U1#12.12 15.82,89.84 16.6,90.62 21.54,90.62 ; 14.65,90.62 16.62,90.62 ; C22#20.1 14.6,90.6 ; 21.49,90.47 20.31,90.47
  Top w0.432: v1(33.21,85.62) 33.25,85.65 35.11,85.65 v1(35.14,85.62)
  Top w0.508: 31.65,79.4 32.27,79.4 ; 33.6,79.11 33.77,79.28 33.78,79.28 36.15,81.65 36.15,83.37 37.38,84.6 D2#17.1 ; C12#9.2 30.86,93.95 30.86,93.72 ; 32.53,79.27 32.69,79.11 ; 30.86,95.61 30.68,95.8 ; 33.52,79.41 32.61,79.41
  Top w0.762: 30.86,95.61 30.86,87.97 31.46,87.37 ; 21.5,90.66 21.5,93.97 C17#2.1 ; 21.57,90.66 28.1,90.66 30.66,88.1 30.74,88.1 ; 30.85,95.7 30.85,96.65
  Top w0.864: v1(33.21,85.62) 30.74,88.1 ; v1(35.14,85.62) 36.16,84.6 D2#17.1
  Top w1.143: Q1#7.2 38.56,85.63 D2#17.1
  Bottom w0.203: v1(15.79,87.55) 15.13,87.55 11.22,83.64 v1(11.22,81.2) ; 25.21,108.51 v1(30.37,108.51)
  Bottom w0.25: v1(18.76,81.2) 18.76,84.58 v1(15.79,87.55)
  Bottom w0.432: v1(33.21,85.62) 33.25,85.65 35.11,85.65 v1(35.14,85.62)
  vias: v1(25.24,108.51)
Board_11-3V3: length 53
  Top w0.508: J11#2.15 76.39,81.05 68.75,81.05 68.29,80.59 68.29,78.63 68.29,78.63 68.29,77.52 69.56,76.25 70.2,76.25 ; 70.07,76.37 69.94,76.5 69.94,76.29 70.87,75.36 73.56,75.36 73.81,75.1 ; 73.81,74.04 73.86,73.99 ; R1#15.1 73.69,74.04
  Bottom w0.432: J11#2.15 83.53,88.19 v1(83.53,89.84) 83.53,91.36 86.09,93.92 86.09,105.99 J3#5.4 J3#5.3
Board_11-5V: length 40.3
  Top w0.432: v1(83.2,98.35) v1(76.24,98.35)
  Top w0.508: 69.98,99.1 69.98,98.9 69.76,98.69 69.76,98.14 ; 69.76,98.14 69.76,97.63 R3#2.1 69.5,97.37 C14#16.2 ; 69.76,98.14 69.76,100.79 70.11,101.14
  Top w0.762: 70.11,101.14 70.11,101.43 71.72,103.04 72.57,103.04 72.58,103.05 74.59,103.05 75.3,102.33 75.3,99.29 v1(76.24,98.35) ; 84.82,94.51 84.82,97.05 83.53,98.35 v1(83.2,98.35) 83.58,98.35 84.82,99.59 J12#13.1
  Bottom w0.432: v1(83.2,98.35) v1(76.24,98.35)
Board_11-/Sheet6057E9B8/D16: length 5.1
  Top w0.203: 77.21,94.51 J11#2.10
  Bottom w0.203: 82.28,94.51 77.21,94.51
Board_11-/Sheet6057E9B8/D17: length 5.1
  Top w0.203: 82.25,97.08 82.28,97.05
  Bottom w0.203: J11#2.9 82.25,97.08
Board_11-/Sheet6057E9B8/D34: length 6.7
  Top w0.203: 55.59,104.7 53.66,106.63 53.66,107.9 J10#3.4
Board_11-/Sheet6057E9B8/D35: length 6.7
  Top w0.203: 55.59,102.16 53.66,104.09 53.66,105.36 J10#3.5
Board_11-/Sheet6057E9B8/D36: length 6.7
  Top w0.203: J10#3.2 53.68,112.95 53.68,111.68 55.59,109.78
Board_11-/Sheet6057E9B8/D39: length 6.7
  Top w0.203: 55.59,107.24 53.68,109.14 53.68,110.41 J10#3.3
Board_11-/Sheet6057E9B8/EN: length 7.3
  Top w0.203: J10#3.1 53.68,115.49 53.68,114.22 55.59,112.32
  Top w0.399: 51.78,116.76 J10#3.1
Board_11-D2: length 28.7
  Top w0.203: v1(65.24,99.24) 65.11,99.11 56.1,99.11 J4#4.6
  Bottom w0.203: J11#2.12 77.18,89.84 70.77,96.25 64.9,96.25 64.48,96.67 64.48,98.47 v1(65.24,99.24)
Board_11-D4: length 27.2
  Top w0.203: J1#17.5 86.12,105.92 86.12,93.98 84.14,92 J11#2.11
Board_11-D5: length 9.7
  Top w0.203: J11#2.8 78.5,100.94 78.5,103.48 J1#17.6
Board_11-D25: length 41.8
  Top w0.203: J10#3.8 53.3,98.09 v1(65.24,98.09)
  Bottom w0.203: v1(65.24,98.09) 66.26,97.08 71.15,97.08 72.08,96.14 72.68,96.14 75,98.46 75,101.68 76.63,103.31 82.83,103.31 83.44,102.71 83.44,100.77 J2#15.2
Board_11-D26: length 34.6
  Top w0.203: v1(65.24,96.95) 65.15,97.08 J10#3.9
  Bottom w0.203: J2#15.1 82.13,102.16 80.75,100.77 76.63,100.77 75.53,99.67 75.53,98.22 72.99,95.68 71.91,95.68 70.91,96.67 65.52,96.67 v1(65.24,96.95)
Board_11-GND: length 10.3
  Top w0.508: R4#16.2 72.31,94.71 72.4,94.8 72.4,96.72 v1(72.38,96.75) 71.06,96.75 ; R12#7.2 R5#10.1 80.15,88.88 ; 76.39,76.31 76.39,77.24 76.61,77.46 76.33,77.46 75.93,77.86 v1(74.36,77.86) 74.36,76.61 ; 72.32,73.98 72.32,73.98